# Allegro board 6089-103-RevB_76.brd (continued)
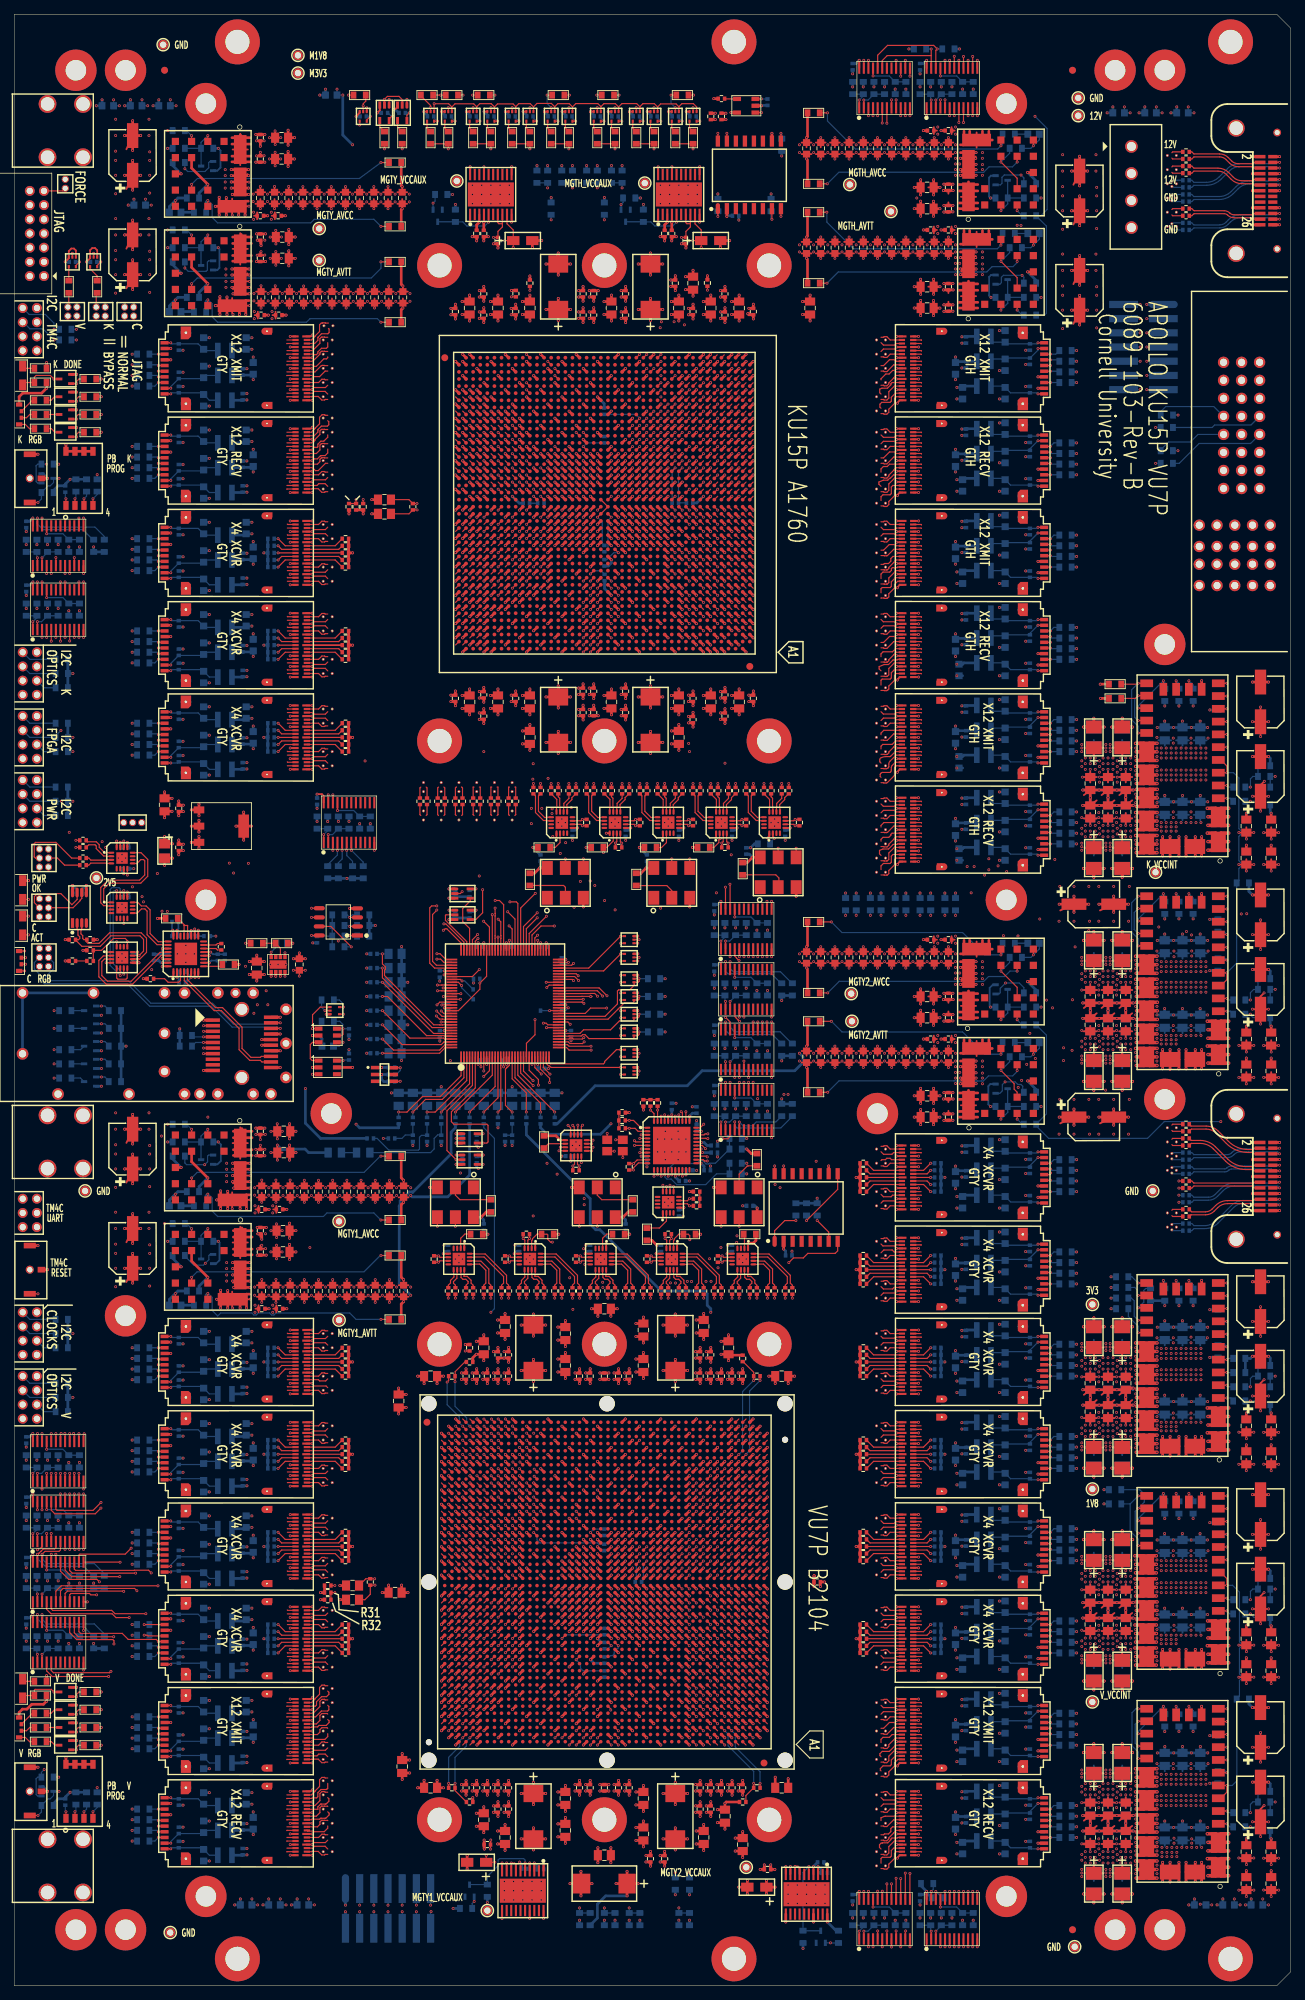
[diagram p0: board, top side]
## Routing (per net, layer and track width the routed paths; a pad name or vN(x,y) marks a point on that pad's centre or on a via; arc(x,y) is an arc through that point) (continued)
AC_PV_CLK1_CHAN3: length 61.4
  TOP w0.165: U66.F11 v1(96.16,38.93) ; C269.2 v1(98.7,96.89)
  SIG2 w0.083: v1(96.16,38.93) 96.47,38.93 96.55,39.02 96.55,40.32 96.8,40.57 97.31,40.57 97.32,40.58 97.37,40.58 97.59,40.8 97.59,72.61 97.59,72.62 97.59,80.11 97.59,80.12 97.59,83.56 98.64,84.61 98.64,85.09 98.51,85.22 98.51,86.58 98.63,86.7 98.63,93.37 99.1,93.84 99.1,96.81 99.01,96.89 v1(98.7,96.89)
AC_PV_CLK1_CHAN4: length 36.9
  TOP w0.165: C149.2 v1(71.2,96.89) ; U66.AU36 v1(70.24,70.85)
  SIG1 w0.083: v1(70.24,70.85) 69.93,70.85 69.85,70.93 69.85,84 68.59,85.26 68.59,86.54 68.88,86.83 68.88,88.05 68.58,88.35 68.58,89.53 68.78,89.73 68.78,92.6 65.72,95.66 65.72,97.39 65.91,97.58 71.11,97.58 71.6,97.09 71.6,96.98 71.51,96.89 v1(71.2,96.89)
AC_PV_CLK1_CHAN5: length 38.9
  TOP w0.165: U66.AJ36 v1(70.24,62.88) ; C158.2 v1(73.7,96.89)
  SIG2 w0.083: v1(70.24,62.88) 69.93,62.88 69.85,62.96 69.85,82.95 72.42,85.52 72.42,96.29 73.41,97.28 74.21,97.28 73.82,96.89 v1(73.7,96.89)
AC_PV_CLK1_CHAN6: length 49.1
  TOP w0.165: U66.AA36 v1(70.24,53.95) ; C162.2 v1(76.2,96.89)
  SIG2 w0.083: v1(70.24,53.95) 69.93,53.95 69.85,54.03 69.85,54.15 70.06,54.35 70.44,54.35 70.82,54.74 70.82,73.5 70.89,73.56 70.89,74.04 70.82,74.11 70.82,81.99 74.2,85.36 74.2,95.42 76.15,97.37 76.48,97.37 76.6,97.26 76.6,96.98 76.51,96.89 v1(76.2,96.89)
AC_PV_CLK1_CHAN7: length 61.8
  TOP w0.165: C172.2 v1(78.7,96.89) ; U66.N36 v1(70.24,45.95)
  SIG1 w0.083: v1(70.24,45.95) 69.93,45.95 69.85,45.86 69.85,45.48 69.64,45.28 68.8,45.28 68.59,45.48 68.59,46.24 68.88,46.53 72.58,46.53 72.64,46.59 72.64,81.73 79.25,88.33 79.25,96.46 79.1,96.61 79.1,96.81 79.01,96.89 v1(78.7,96.89)
AC_PV_TTC_CLK40: length 148.6
  TOP w0.165: U66.AN32 v1(74.23,66.86)
  SIG3 w0.083: v1(74.23,66.86) 73.92,66.86 73.84,66.78 73.84,65.81 arc(73.8,65.62) 73.69,65.46 73.67,65.43 arc(73.49,65.32) 73.29,65.28 47.41,65.28 arc(46.28,65.5) 45.33,66.14 43.7,67.76 arc(42.91,68.3) 41.96,68.49 33.88,68.49 arc(33.15,68.63) 32.54,69.04 25.87,75.71 arc(25.51,76.25) 25.38,76.89 25.38,99.67 25.38,99.68 25.38,99.98 25.38,99.98 25.38,106.53 25.38,106.53 25.38,106.84 25.38,106.84 25.38,113.42 25.38,113.42 25.38,113.98 25.38,113.98 25.38,118.21 12.47,131.12 10.65,131.12 2.04,139.73 2.04,145.98 1.43,146.59 1.43,154.52 4.05,157.14 3.56,157.63
AC_PV_TTC_IN: length 95.1
  TOP w0.165: U66.AV2 105.15,71.87
  SIG4 w0.083: VA148.1 162.44,107.28 arc(162.36,107.26) 162.28,107.22 162.17,107.11 arc(162.07,107.03) 161.94,107.01 151.26,107.01 arc(149.74,107.31) 148.45,108.18 145.23,111.4 arc(144.46,111.91) 143.56,112.09 140.2,112.09 arc(139.55,112.22) 138.99,112.59 138.81,112.77 arc(138.05,113.28) 137.16,113.46 121.86,113.46 arc(120.86,113.26) 120.01,112.69 114.52,107.19 arc(113.9,106.27) 113.69,105.18 113.69,86.02 arc(113.57,85.46) 113.26,84.99 112.73,84.46 arc(112.41,83.98) 112.3,83.41 112.3,79.5 arc(112.07,78.34) 111.41,77.35 106.6,72.55 arc(106.45,72.45) 106.27,72.41 105.89,72.41 arc(105.77,72.39) 105.67,72.32 105.64,72.29 arc(105.58,72.2) 105.56,72.08 105.56,71.95 105.47,71.87 105.15,71.87
  BOTTOM w0.165: C504.2 163.32,107.4 VA148.1
AC_PV_TTS_OUT: length 10.7
  TOP w0.165: P3.22 174.77,110.83 174.58,110.63 171.05,110.63 arc(170.14,110.45) 169.37,109.94 168.87,109.44 arc(168.44,109.15) 167.93,109.05 166,109.05 C447.1
AC_PV_UTIL_CLK_CHAN0: length 32.8
  TOP w0.165: C182.2 v1(81.2,96.89) ; U66.AW9 v1(98.17,72.86)
  SIG4 w0.083: v1(98.17,72.86) 98.48,72.86 98.56,72.94 98.56,77.68 97.61,78.62 97.61,79.04 82.63,94.02 82.63,95.05 81.54,96.14 81.54,96.31 81.2,96.65 v1(81.2,96.89)
AC_PV_UTIL_CLK_CHAN1: length 34.5
  TOP w0.165: C197.2 v1(83.7,96.89) ; U66.BA40 v1(66.23,74.87)
  SIG4 w0.083: v1(66.23,74.87) 65.92,74.87 65.83,74.95 65.83,79.99 76.28,90.43 76.88,90.43 80.6,94.15 80.6,96.94 80.99,97.33 84.01,97.33 84.1,97.24 84.1,96.98 84.01,96.89 v1(83.7,96.89)
AC_PV_UTIL_CLK_CHAN2: length 34.5
  TOP w0.165: U66.BA35 v1(71.23,74.87) ; C210.2 v1(86.2,96.89)
  SIG2 w0.083: v1(71.23,74.87) 71.23,75.17 71.31,75.26 74.51,75.26 74.87,75.62 74.87,84.02 75.75,84.91 75.75,88.99 83.33,96.56 83.33,97.05 83.72,97.44 86.43,97.44 86.64,97.22 86.6,97.18 86.6,96.98 86.51,96.89 v1(86.2,96.89)
AC_PV_UTIL_CLK_CHAN3: length 67.2
  TOP w0.165: U66.H27 v1(79.23,40.94) ; C217.2 v1(88.7,96.89)
  SIG1 w0.083: v1(88.7,96.89) 89.01,96.89 89.1,96.81 89.1,96.61 89.16,96.54 89.16,84.49 83.14,78.47 83.14,57.95 82.71,57.53 78.62,57.53 77.59,56.5 77.59,40.61 77.82,40.39 78.63,40.39 78.84,40.6 78.84,40.86 78.92,40.94 v1(79.23,40.94)
BC_NC2C0_K_TO_V: length 34.7
  TOP w0.165: U65.K37 67.23,196.93 ; C127.1 67.2,168.89 67.32,168.9
  SIG1 w0.083: 67.23,196.93 67.54,196.93 67.64,196.83 67.64,196.71 arc(67.67,196.56) 67.78,196.46 arc(67.85,196.42) 67.93,196.39 arc(68,196.38) 68.07,196.37 70.46,196.37 arc(70.51,196.36) 70.54,196.34 70.56,196.32 arc(70.63,196.22) 70.65,196.1 70.65,188.51 arc(70.51,187.79) 70.1,187.17 67.88,184.96 arc(67.67,184.65) 67.6,184.28 67.6,170.14 arc(67.58,170.03) 67.52,169.94 67.43,169.85 arc(67.35,169.73) 67.32,169.59 67.32,168.9
BC_NC2C0_V_TO_K: length 93.2
  TOP w0.165: 62.32,164.9 62.2,165.02 62.2,165.02 C101.1 ; U66.BF43 63.23,79.87
  SIG1 w0.083: 62.32,164.9 62.32,164.25 arc(62.35,164.09) 62.45,163.95 62.56,163.84 arc(62.62,163.74) 62.64,163.63 62.64,163.44 arc(62.62,163.33) 62.56,163.23 58.21,158.88 arc(57.76,158.21) 57.6,157.42 57.6,112.45 arc(57.54,112.06) 57.35,111.71 arc(57.18,111.38) 57.11,111.01 57.11,92.77 arc(57.06,92.5) 56.9,92.27 56.75,92.12 arc(56.46,91.68) 56.36,91.17 56.36,87.43 arc(56.41,87.19) 56.54,86.98 59.28,84.24 arc(59.52,84.07) 59.8,83.98 arc(59.94,83.94) 60.07,83.85 63.6,80.32 arc(63.62,80.29) 63.63,80.25 63.63,79.95 63.55,79.87 63.23,79.87
BC_NC2C1_K_TO_V: length 31.9
  TOP w0.165: 69.82,168.9 69.7,168.89 C140.1 ; U65.K33 71.23,196.93
  SIG1 w0.083: 69.82,168.9 69.82,169.57 arc(69.85,169.74) 69.95,169.88 69.99,169.93 arc(70.07,170.04) 70.1,170.17 70.1,170.56 arc(69.99,171.07) 69.7,171.51 69.57,171.64 arc(69.32,172.02) 69.23,172.47 69.23,181.82 arc(69.31,182.21) 69.53,182.54 71.13,184.14 arc(71.49,184.68) 71.62,185.32 71.62,196.84 71.54,196.93 71.23,196.93
BC_NC2C1_V_TO_K: length 96.1
  TOP w0.165: 64.82,164.9 64.7,165.02 64.7,165.02 C109.1 ; U66.BD43 63.23,77.86
  SIG1 w0.083: 63.23,77.86 63.55,77.86 63.63,77.95 63.63,78 arc(63.67,78.2) 63.78,78.36 arc(63.94,78.47) 64.14,78.51 64.26,78.51 arc(64.38,78.53) 64.48,78.6 64.56,78.68 arc(64.65,78.81) 64.68,78.97 64.68,80.07 arc(64.62,80.38) 64.44,80.65 57.79,87.3 arc(57.47,87.77) 57.36,88.33 57.36,91.02 arc(57.45,91.46) 57.7,91.83 58.01,92.14 arc(58.25,92.51) 58.34,92.94 58.34,110.9 arc(58.46,111.5) 58.8,112.02 59.24,112.45 arc(59.47,112.8) 59.55,113.21 59.55,127.19 arc(59.64,127.63) 59.89,128.01 61.69,129.81 arc(61.9,130.12) 61.98,130.5 61.98,159.48 arc(62.08,159.99) 62.37,160.42 64.96,163.01 arc(65.08,163.2) 65.12,163.41 65.12,163.44 arc(65.09,163.61) 64.99,163.76 arc(64.86,163.95) 64.82,164.17 64.82,164.9
BC_NC2C2_K_TO_V: length 39.7
  TOP w0.165: U65.J35 69.23,195.93 ; 57.32,168.9 57.2,168.78 C92.1
  SIG1 w0.083: 69.23,195.93 69.54,195.93 69.67,195.79 69.67,193.14 arc(69.63,192.92) 69.51,192.75 69.47,192.71 arc(69.27,192.58) 69.04,192.53 62.46,192.53 arc(61.88,192.41) 61.39,192.09 57.77,188.47 arc(56.68,186.83) 56.3,184.9 56.3,173.28 arc(56.5,172.26) 57.08,171.39 57.51,170.96 arc(57.57,170.86) 57.6,170.75 57.6,170.51 arc(57.57,170.39) 57.51,170.3 57.43,170.22 arc(57.35,170.1) 57.32,169.95 57.32,168.9
BC_NC2C2_V_TO_K: length 98.9
  TOP w0.165: U66.BB43 63.23,75.86 ; C96.1 59.7,165.02 59.82,164.9
  SIG1 w0.083: 59.82,164.9 59.82,164.24 arc(59.85,164.06) 59.95,163.91 60.05,163.82 arc(60.09,163.75) 60.11,163.68 60.11,163.32 arc(60.04,162.98) 59.85,162.69 56.69,159.54 arc(56.18,158.77) 56,157.87 56,135.42 arc(55.91,134.99) 55.67,134.63 55.66,134.62 arc(55.37,134.18) 55.26,133.65 55.26,86.14 arc(55.45,85.18) 55.99,84.38 56.43,83.94 arc(56.74,83.47) 56.85,82.92 56.85,79.87 arc(56.96,79.32) 57.27,78.85 59.68,76.44 arc(59.92,76.28) 60.19,76.23 63.53,76.23 arc(63.62,76.19) 63.66,76.1 63.66,75.94 63.57,75.86 63.23,75.86
BC_NHIGH_QUAL_CLK_IN: length 14.6
  TOP w0.165: P3.17 v1(178.38,112.42)
  BOTTOM w0.165: v1(178.38,112.42) 178.13,112.68 171.97,112.68 arc(171.14,112.52) 170.44,112.04 169.61,111.22 arc(169.03,110.83) 168.33,110.69 166.3,110.69 166.01,110.4 C503.1
BC_NK_CLK0_CHAN0: length 2.9
  TOP w0.165: U96.10 107.45,166.04 107.49,166.08 107.49,166.6 108.2,167.31 C305.1
BC_NK_CLK0_CHAN1: length 2.9
  TOP w0.165: C300.1 106.49,167.16 106.49,166.08 106.45,166.04 U96.12
BC_NK_CLK0_CHAN2: length 5.4
  TOP w0.165: C293.1 103.49,167.66 103.49,165.31 104.61,164.19 105.02,164.19 105.06,164.15 U96.14
BC_NK_CLK0_CHAN4: length 2.9
  TOP w0.165: C171.1 78.2,167.31 77.49,166.6 77.49,166.08 77.45,166.04 U58.10
BC_NK_CLK0_CHAN5: length 2.9
  TOP w0.165: C161.1 76.49,167.16 76.49,166.08 76.45,166.04 U58.12
BC_NK_CLK0_CHAN6: length 5.4
  TOP w0.165: C155.1 73.49,167.66 73.49,165.31 74.61,164.19 75.02,164.19 75.06,164.15 U58.14
BC_NK_CLK1_CHAN0: length 2.9
  TOP w0.165: U87.10 99.95,166.04 99.99,166.08 99.99,166.6 100.7,167.31 C281.1
BC_NK_CLK1_CHAN1: length 2.9
  TOP w0.165: U87.12 98.95,166.04 98.99,166.08 98.99,167.16 C264.1
BC_NK_CLK1_CHAN2: length 5.4
  TOP w0.165: C249.1 95.99,167.66 95.99,165.31 97.11,164.19 97.52,164.19 97.56,164.15 U87.14
BC_NK_CLK1_CHAN4: length 2.9
  TOP w0.165: C204.1 85.7,167.31 84.99,166.6 84.99,166.08 84.95,166.04 U68.10
BC_NK_CLK1_CHAN5: length 2.9
  TOP w0.165: U68.12 83.95,166.04 83.99,166.08 83.99,167.16 C191.1
BC_NK_CLK1_CHAN6: length 5.4
  TOP w0.165: C181.1 80.99,167.66 80.99,165.31 82.11,164.19 82.52,164.19 82.56,164.15 U68.14
BC_NK_TTC_IN: length 14.3
  TOP w0.165: P2.23 v1(178.38,248.93)
  BOTTOM w0.165: v1(178.38,248.93) 178.09,248.93 177.9,249.12 172.87,249.12 arc(172.12,248.97) 171.48,248.54 171.11,248.17 arc(170.58,247.82) 169.95,247.69 166.3,247.69 166.01,247.4 C497.1
BC_NK_TTS_OUT: length 79.2
  TOP w0.165: U65.AU7 98.1,224.8 ; 163.2,249.52 163.32,249.4 C440.2
  SIG1 w0.083: 98.1,224.8 97.79,224.8 97.71,224.89 97.71,225.11 arc(97.71,225.14) 97.73,225.17 97.77,225.2 arc(97.8,225.22) 97.83,225.23 106.14,225.23 arc(106.62,225.33) 107.03,225.6 111.29,229.85 arc(111.34,229.87) 111.39,229.85 arc(111.43,229.83) 111.48,229.85 111.62,229.99 arc(111.64,230.04) 111.62,230.09 arc(111.6,230.13) 111.62,230.18 111.75,230.32 arc(111.8,230.34) 111.85,230.32 arc(111.9,230.3) 111.95,230.32 112.09,230.45 arc(112.11,230.5) 112.09,230.55 arc(112.06,230.6) 112.09,230.65 125.93,244.5 arc(126.1,244.61) 126.29,244.65 126.78,244.65 arc(127.04,244.7) 127.26,244.85 129.31,246.89 arc(129.49,247.16) 129.55,247.49 129.55,247.58 arc(129.61,247.88) 129.78,248.14 129.98,248.33 arc(130.27,248.52) 130.61,248.59 151.94,248.59 arc(152.44,248.69) 152.87,248.98 153.4,249.5 arc(153.72,249.72) 154.09,249.79 161.94,249.79 162.25,249.48 162.92,249.48 162.96,249.52 163.2,249.52
BC_NK_UTIL_CLK_CHAN0: length 2.9
  TOP w0.165: U79.10 92.45,166.04 92.49,166.08 92.49,166.6 93.2,167.31 C235.1
BC_NK_UTIL_CLK_CHAN1: length 2.9
  TOP w0.165: C227.1 91.49,167.16 91.49,166.08 91.45,166.04 U79.12
BC_NK_UTIL_CLK_CHAN2: length 5.4
  TOP w0.165: U79.14 90.06,164.15 90.02,164.19 89.61,164.19 88.49,165.31 88.49,167.66 C215.1
BC_NLEGACY_CLK: length 4.6
  TOP w0.165: C2.1 10.52,160.77 11.4,160.77 11.57,160.6 11.57,160.23 12.61,159.19 13.02,159.19 13.06,159.15 U10.2
BC_NLHC_CLK_IN: length 10.2
  TOP w0.165: P3.18 174.77,112.42 174.5,112.69 166.3,112.69 166.01,112.4 C446.1
BC_NMGT_K_TO_Z_1: length 82.2
  TOP w0.165: U65.AV9 96.19,225.89
  SIG1 w0.083: 96.19,225.89 96.16,225.91 95.86,225.91 95.78,225.99 95.78,226.11 arc(95.79,226.15) 95.81,226.17 95.84,226.21 arc(95.87,226.22) 95.9,226.23 104.32,226.23 arc(104.79,226.32) 105.19,226.59 110.22,231.63 arc(110.28,231.65) 110.34,231.63 arc(110.4,231.6) 110.46,231.63 110.58,231.74 arc(110.6,231.8) 110.58,231.86 arc(110.55,231.92) 110.58,231.98 110.69,232.09 arc(110.75,232.12) 110.81,232.09 arc(110.87,232.07) 110.93,232.09 111.04,232.21 arc(111.07,232.27) 111.04,232.33 arc(111.02,232.39) 111.04,232.45 120.78,242.19 arc(120.94,242.29) 121.12,242.33 121.2,242.33 arc(121.49,242.38) 121.73,242.55 123.14,243.95 arc(123.22,244.08) 123.26,244.24 123.26,244.5 arc(123.29,244.65) 123.37,244.77 125.09,246.49 arc(125.37,246.68) 125.7,246.75 125.74,246.75 arc(126.2,246.84) 126.58,247.09 131.39,251.9 arc(131.65,252.07) 131.95,252.13 132.47,252.13 arc(132.78,252.19) 133.03,252.37 133.2,252.53 arc(133.38,252.65) 133.59,252.69 160.29,252.69 arc(160.42,252.66) 160.53,252.59 161.12,252 arc(161.32,251.86) 161.57,251.81 162.03,251.81 162.37,251.48 162.92,251.48 162.96,251.52 VA140.2
  BOTTOM w0.165: VA140.2 163.32,251.4 C495.2
BC_NMGT_K_TO_Z_2: length 84.9
  TOP w0.165: 163.2,255.52 163.32,255.4 C438.2 ; U65.AW7 98.1,226.8
  SIG1 w0.083: 163.2,255.52 162.96,255.52 162.92,255.48 162.37,255.48 162.06,255.79 161.38,255.79 arc(161.11,255.84) 160.88,256 160.51,256.36 arc(160.32,256.49) 160.09,256.54 143.5,256.54 arc(142.8,256.67) 142.21,257.07 141.29,257.99 arc(140.54,258.49) 139.65,258.67 130.34,258.67 arc(130,258.6) 129.71,258.41 127.52,256.22 arc(127.1,255.94) 126.61,255.84 125.15,255.84 arc(124.69,255.75) 124.3,255.49 120.14,251.33 arc(120.13,251.29) 120.14,251.26 arc(120.15,251.22) 120.14,251.19 119.98,251.02 arc(119.94,251.01) 119.91,251.02 arc(119.87,251.04) 119.83,251.02 119.67,250.86 arc(119.66,250.83) 119.67,250.79 arc(119.69,250.75) 119.67,250.72 119.51,250.56 arc(119.48,250.54) 119.44,250.56 arc(119.4,250.57) 119.37,250.56 119.21,250.4 arc(119.19,250.36) 119.21,250.32 arc(119.22,250.29) 119.21,250.25 119.05,250.09 arc(119.01,250.08) 118.97,250.09 arc(118.94,250.11) 118.9,250.09 113.75,244.94 arc(113.4,244.42) 113.28,243.81 113.28,243.2 arc(113.16,242.58) 112.8,242.06 106.79,236.04 100.78,230.03 arc(100.73,229.95) 100.71,229.86 100.71,229.74 arc(100.68,229.57) 100.58,229.43 100.52,229.37 arc(100.38,229.28) 100.22,229.25 98.87,229.25 98.87,229.25 98.03,229.25 arc(97.96,229.24) 97.89,229.19 97.83,229.13 arc(97.76,229.02) 97.73,228.89 97.73,226.9 arc(97.74,226.87) 97.75,226.84 97.79,226.8 98.1,226.8
BC_NMGT_V_TO_Z_1: length 106.7
  TOP w0.165: U66.BD4 103.17,77.86
  SIG4 w0.083: VA146.2 163.19,114.51 arc(163.16,114.49) 163.13,114.48 161.67,114.48 arc(161.63,114.49) 161.59,114.5 arc(161.52,114.53) 161.46,114.58 161.39,114.65 arc(161.28,114.81) 161.24,115 161.24,115.13 arc(161.29,115.36) 161.42,115.56 161.61,115.75 arc(161.81,115.89) 162.05,115.94 163.56,115.94 arc(163.86,115.99) 164.11,116.16 164.25,116.3 arc(164.44,116.56) 164.53,116.87 arc(164.53,116.93) 164.54,116.99 164.54,117.44 arc(164.51,117.55) 164.45,117.64 164.44,117.65 arc(164.22,117.8) 163.96,117.85 160.75,117.85 arc(160.32,117.76) 159.95,117.52 159.95,117.52 arc(159.46,117.19) 158.88,117.08 146.59,117.08 arc(145.96,116.95) 145.42,116.59 145.24,116.41 arc(144.47,115.89) 143.56,115.71 135.95,115.71 arc(135.52,115.8) 135.14,116.05 134.93,116.26 arc(134.61,116.47) 134.24,116.55 132.45,116.55 arc(131.96,116.64) 131.54,116.92 129.27,119.19 arc(129.25,119.21) 129.23,119.23 arc(129.08,119.31) 128.91,119.34 123.69,119.34 arc(122.48,119.1) 121.46,118.42 118.72,115.67 arc(118.2,114.91) 118.01,114 arc(118.01,113.94) 118.01,113.89 arc(117.96,113.64) 117.88,113.41 arc(117.77,113.18) 117.63,112.98 arc(117.59,112.93) 117.55,112.89 112.96,108.3 arc(112.27,107.27) 112.03,106.06 112.03,101.99 arc(112.06,101.92) 112.13,101.89 arc(112.2,101.86) 112.23,101.79 112.23,101.66 arc(112.2,101.59) 112.13,101.56 arc(112.06,101.53) 112.03,101.46 112.03,101.33 arc(112.06,101.26) 112.13,101.23 arc(112.2,101.2) 112.23,101.13 112.23,101 arc(112.2,100.93) 112.13,100.9 arc(112.06,100.87) 112.03,100.8 112.03,100.67 arc(112.06,100.6) 112.13,100.57 arc(112.2,100.54) 112.23,100.47 112.23,100.34 arc(112.2,100.27) 112.13,100.24 arc(112.06,100.21) 112.03,100.14 112.03,85.62 arc(111.94,85.15) 111.67,84.75 110.53,83.61 arc(110.31,83.28) 110.24,82.9 110.24,81.92 arc(110.14,81.42) 109.85,80.99 109.25,80.39 arc(108.87,80.14) 108.43,80.05 108.19,80.05 arc(107.82,79.98) 107.51,79.77 107.47,79.73 arc(106.96,79.39) 106.34,79.27 102.89,79.27 arc(102.81,79.23) 102.77,79.14 102.77,78.06 arc(102.77,78.03) 102.76,77.99 arc(102.78,77.92) 102.83,77.88 arc(102.9,77.86) 102.97,77.86 103.17,77.86
  BOTTOM w0.165: VA146.2 163.32,114.4 C501.2
BC_NMGT_V_TO_Z_2: length 91.9
  TOP w0.165: 163.2,118.52 163.32,118.4 C444.2 ; U66.BF4 103.17,79.87
  SIG2 w0.083: 103.17,79.87 102.85,79.87 102.77,79.95 102.77,80.17 arc(102.78,80.21) 102.8,80.24 102.87,80.31 arc(102.9,80.33) 102.94,80.34 109.34,80.34 arc(110.05,80.49) 110.66,80.89 111.97,82.2 arc(112.41,82.86) 112.56,83.63 112.56,87.52 arc(112.58,87.57) 112.64,87.6 112.64,87.6 arc(112.69,87.62) 112.71,87.67 112.71,87.85 arc(112.69,87.9) 112.64,87.93 112.64,87.93 arc(112.58,87.95) 112.56,88 112.56,88.18 arc(112.58,88.23) 112.64,88.26 112.64,88.26 arc(112.69,88.28) 112.71,88.33 112.71,88.51 arc(112.69,88.56) 112.64,88.59 112.64,88.59 arc(112.58,88.61) 112.56,88.66 112.56,97.7 arc(112.76,98.69) 113.32,99.52 115.83,102.04 arc(116.26,102.55) 116.58,103.13 116.74,103.51 arc(116.89,103.98) 116.94,104.46 116.94,108.54 116.97,108.65 117.44,109.88 117.51,109.98 120.68,113.15 arc(121.3,113.66) 122,114.03 122.14,114.09 arc(122.69,114.26) 123.25,114.31 140.87,114.31 arc(140.91,114.32) 140.95,114.33 141.09,114.38 141.18,114.45 141.2,114.46 141.28,114.54 arc(141.5,114.73) 141.75,114.86 142.18,115.04 arc(142.43,115.12) 142.7,115.14 143.96,115.14 arc(144.35,115.22) 144.68,115.44 147.59,118.35 arc(148.09,118.68) 148.68,118.8 161.93,118.8 arc(162.06,118.77) 162.17,118.7 162.27,118.59 arc(162.36,118.54) 162.45,118.52 163.2,118.52
BC_NMGT_Z_TO_K_1: length 14.8
  TOP w0.165: P2.5 v1(178.38,256.12)
  BOTTOM w0.165: v1(178.38,256.12) 178.09,256.12 177.9,256.32 172.73,256.32 arc(171.97,256.17) 171.33,255.74 170.17,254.57 arc(169.19,253.92) 168.03,253.69 166.3,253.69 166.01,253.4 C493.1
BC_NMGT_Z_TO_K_2: length 10.6
  TOP w0.165: C436.1 166.01,257.4 166.3,257.69 169.93,257.69 arc(170.43,257.59) 170.84,257.31 171.34,256.82 arc(171.9,256.45) 172.55,256.32 174.58,256.32 174.77,256.12 P2.6
BC_NMGT_Z_TO_V_1: length 14.1
  TOP w0.165: 177.43,117.22 v1(178.38,117.22)
  BOTTOM w0.165: C499.1 166.01,116.4 166.3,116.69 171.02,116.69 arc(171.5,116.79) 171.91,117.06 172,117.15 arc(172.39,117.41) 172.85,117.5 178.11,117.5 v1(178.38,117.22)
BC_NMGT_Z_TO_V_2: length 11.3
  TOP w0.165: 175.64,117.22 174.77,117.22 174.58,117.42 173.96,117.42 arc(172.29,117.75) 170.88,118.69 169.44,120.13 arc(168.79,120.56) 168.03,120.71 165.96,120.71 C442.1
BC_NTTC_CLK40A: length 3.7
  TOP w0.165: U10.4 13.06,158.15 13.02,158.19 10.8,158.19 10.51,157.9 C4.1
BC_NV_CLK0_CHAN0: length 2.9
  TOP w0.165: U89.10 102.45,100.26 102.41,100.22 102.41,99.7 101.93,99.22 101.93,98.99 102.2,98.71 C289.1
BC_NV_CLK0_CHAN1: length 3.4
  TOP w0.165: C298.1 104.7,98.71 104.41,99 104.41,99.41 103.85,99.97 103.43,99.97 103.41,99.98 103.41,100.22 103.45,100.26 U89.12
BC_NV_CLK0_CHAN2: length 6
  TOP w0.165: U89.14 104.84,102.15 104.88,102.11 105.79,102.11 106.91,100.99 106.91,99 107.2,98.71 C304.1
BC_NV_CLK0_CHAN3: length 8.3
  TOP w0.165: C310.1 109.7,98.71 109.41,99 109.41,100.11 106.41,103.11 104.88,103.11 104.84,103.15 U89.16
BC_NV_CLK0_CHAN4: length 2.9
  TOP w0.165: C102.1 62.2,98.71 61.93,98.99 61.93,99.22 62.41,99.7 62.41,100.22 62.45,100.26 U44.10
BC_NV_CLK0_CHAN5: length 3.4
  TOP w0.165: U44.12 63.45,100.26 63.41,100.22 63.41,99.98 63.43,99.97 63.85,99.97 64.41,99.41 64.41,99 64.7,98.71 C110.1
BC_NV_CLK0_CHAN6: length 6
  TOP w0.165: C128.1 67.2,98.71 66.91,99 66.91,100.99 65.79,102.11 64.88,102.11 64.84,102.15 U44.14
BC_NV_CLK0_CHAN7: length 8.3
  TOP w0.165: C141.1 69.7,98.71 69.41,99 69.41,100.11 66.41,103.11 64.88,103.11 64.84,103.15 U44.16
BC_NV_CLK1_CHAN0: length 2.9
  TOP w0.165: U83.10 92.45,100.26 92.41,100.22 92.41,99.7 91.93,99.22 91.93,98.99 92.2,98.71 C232.1
BC_NV_CLK1_CHAN1: length 3.4
  TOP w0.165: C244.1 94.7,98.71 94.41,99 94.41,99.41 93.85,99.97 93.43,99.97 93.41,99.98 93.41,100.22 93.45,100.26 U83.12
BC_NV_CLK1_CHAN2: length 6
  TOP w0.165: U83.14 94.84,102.15 94.88,102.11 95.79,102.11 96.91,100.99 96.91,99 97.2,98.71 C257.1
BC_NV_CLK1_CHAN3: length 8.3
  TOP w0.165: U83.16 94.84,103.15 94.88,103.11 96.41,103.11 99.41,100.11 99.41,99 99.7,98.71 C273.1
BC_NV_CLK1_CHAN4: length 2.9
  TOP w0.165: C151.1 72.2,98.71 71.93,98.99 71.93,99.22 72.41,99.7 72.41,100.22 72.45,100.26 U56.10
BC_NV_CLK1_CHAN5: length 3.4
  TOP w0.165: U56.12 73.45,100.26 73.41,100.22 73.41,99.98 73.43,99.97 73.85,99.97 74.41,99.41 74.41,99 74.7,98.71 C160.1
BC_NV_CLK1_CHAN6: length 6
  TOP w0.165: U56.14 74.84,102.15 74.88,102.11 75.79,102.11 76.91,100.99 76.91,99 77.2,98.71 C166.1
BC_NV_CLK1_CHAN7: length 8.3
  TOP w0.165: U56.16 74.84,103.15 74.88,103.11 76.41,103.11 79.41,100.11 79.41,99 79.7,98.71 C174.1
BC_NV_TTC_IN: length 15.2
  TOP w0.165: P3.23 v1(178.38,110.03)
  BOTTOM w0.165: C505.1 166.01,106.4 166.3,106.69 167.85,106.69 arc(168.85,106.89) 169.7,107.46 171.91,109.66 arc(172.53,110.08) 173.27,110.23 178.18,110.23 v1(178.38,110.03)
BC_NV_TTS_OUT: length 98.6
  TOP w0.165: C448.2 163.32,108.4 163.2,108.52 ; U66.AV6 101.17,71.87
  SIG2 w0.083: 163.2,108.52 163.06,108.52 163.02,108.48 162.53,108.48 arc(162.4,108.5) 162.29,108.58 162.15,108.72 arc(162.06,108.78) 161.96,108.8 151.48,108.8 arc(150.59,108.97) 149.84,109.47 146.87,112.45 arc(146.48,112.71) 146.02,112.8 144.96,112.8 arc(144.78,112.83) 144.61,112.91 144.58,112.93 144.47,113.05 144.18,113.05 144.17,113.03 138.83,113.03 arc(138.67,113.06) 138.53,113.16 138.43,113.26 arc(138.39,113.29) 138.35,113.29 123,113.29 arc(122.43,113.18) 121.95,112.86 118.72,109.64 arc(118.32,109.03) 118.17,108.31 118.17,104.04 arc(117.91,102.69) 117.14,101.54 114.31,98.71 arc(114,98.25) 113.89,97.71 113.89,88.43 arc(113.91,88.39) 113.96,88.37 arc(114,88.35) 114.02,88.3 114.02,88.1 arc(114,88.06) 113.96,88.04 arc(113.91,88.02) 113.89,87.97 113.89,87.77 arc(113.91,87.73) 113.96,87.71 arc(114,87.69) 114.02,87.64 114.02,87.44 arc(114,87.4) 113.96,87.38 arc(113.91,87.36) 113.89,87.31 113.89,81.71 arc(113.68,80.61) 113.05,79.67 106.94,73.57 arc(106.67,73.38) 106.34,73.32 101.17,73.32 arc(101.12,73.31) 101.09,73.29 100.86,73.06 arc(100.8,72.97) 100.77,72.86 100.77,71.95 100.86,71.87 101.17,71.87
BC_NV_UTIL_CLK_CHAN0: length 2.9
  TOP w0.165: U64.10 82.45,100.26 82.41,100.22 82.41,99.7 81.93,99.22 81.93,98.99 82.2,98.71 C190.1
BC_NV_UTIL_CLK_CHAN1: length 3.4
  TOP w0.165: U64.12 83.45,100.26 83.41,100.22 83.41,99.98 83.43,99.97 83.85,99.97 84.41,99.41 84.41,99 84.7,98.71 C201.1
BC_NV_UTIL_CLK_CHAN2: length 6
  TOP w0.165: C214.1 87.2,98.71 86.91,99 86.91,100.99 85.79,102.11 84.88,102.11 84.84,102.15 U64.14
BC_NV_UTIL_CLK_CHAN3: length 8.3
  TOP w0.165: C225.1 89.7,98.71 89.41,99 89.41,100.11 86.41,103.11 84.88,103.11 84.84,103.15 U64.16
BC_PC2C0_K_TO_V: length 34.7
  TOP w0.165: C132.1 68.2,168.89 68.08,168.9 ; U65.K36 68.23,196.93
  SIG1 w0.083: 68.23,196.93 67.93,196.93 67.84,196.84 67.84,196.71 arc(67.86,196.67) 67.89,196.63 arc(67.93,196.61) 67.99,196.59 arc(68.03,196.58) 68.07,196.58 70.46,196.58 arc(70.59,196.56) 70.69,196.48 70.71,196.47 arc(70.82,196.3) 70.86,196.1 70.86,188.51 arc(70.7,187.71) 70.24,187.03 68.03,184.82 arc(67.87,184.57) 67.81,184.28 67.81,170.14 arc(67.83,170.03) 67.89,169.94 68.01,169.83 arc(68.06,169.74) 68.08,169.64 68.08,168.9
BC_PC2C0_V_TO_K: length 93.2
  TOP w0.165: U66.BF42 64.24,79.87 ; C103.1 63.2,165.02 63.2,165.02 63.08,164.9
  SIG1 w0.083: 64.24,79.87 63.92,79.87 63.84,79.95 63.84,80.25 arc(63.82,80.37) 63.75,80.47 60.21,84 arc(60.04,84.12) 59.83,84.19 arc(59.61,84.26) 59.43,84.39 56.69,87.13 arc(56.6,87.27) 56.57,87.43 56.57,91.17 arc(56.65,91.6) 56.9,91.97 57.05,92.12 arc(57.25,92.42) 57.32,92.77 57.32,111.01 arc(57.38,111.31) 57.52,111.59 arc(57.74,112) 57.81,112.45 57.81,157.42 arc(57.95,158.13) 58.35,158.73 62.71,163.09 arc(62.81,163.24) 62.85,163.42 62.85,163.67 arc(62.88,163.84) 62.98,163.98 arc(63.05,164.1) 63.08,164.23 63.08,164.9
BC_PC2C1_K_TO_V: length 31.9
  TOP w0.165: 70.58,168.9 70.7,168.89 C148.1 ; U65.K32 72.23,196.93
  SIG1 w0.083: 72.23,196.93 71.91,196.93 71.83,196.84 71.83,185.32 arc(71.69,184.6) 71.28,183.99 69.68,182.39 arc(69.5,182.13) 69.44,181.82 69.44,172.47 arc(69.51,172.1) 69.72,171.79 69.85,171.66 arc(70.19,171.15) 70.31,170.56 70.31,170.18 arc(70.33,170.04) 70.41,169.92 70.43,169.9 arc(70.54,169.73) 70.58,169.54 70.58,168.9
BC_PC2C1_V_TO_K: length 96.1
  TOP w0.165: 65.58,164.9 65.7,165.02 65.7,165.02 C115.1 ; U66.BD42 64.24,77.86
  SIG1 w0.083: 64.24,77.86 63.92,77.86 63.84,77.95 63.84,78 arc(63.86,78.12) 63.93,78.21 arc(64.02,78.27) 64.14,78.3 64.26,78.3 arc(64.46,78.34) 64.63,78.45 64.71,78.53 arc(64.84,78.73) 64.89,78.97 64.89,80.07 arc(64.81,80.46) 64.59,80.8 57.94,87.45 arc(57.67,87.85) 57.57,88.33 57.57,91.02 arc(57.64,91.38) 57.85,91.68 58.16,91.99 arc(58.45,92.43) 58.55,92.94 58.55,110.9 arc(58.65,111.42) 58.95,111.87 59.39,112.3 arc(59.66,112.72) 59.76,113.21 59.76,127.19 arc(59.83,127.55) 60.04,127.86 61.84,129.66 arc(62.1,130.04) 62.19,130.5 62.19,159.48 arc(62.27,159.91) 62.51,160.27 65.16,162.91 arc(65.29,163.1) 65.33,163.33 65.33,163.46 arc(65.36,163.61) 65.45,163.74 65.5,163.8 arc(65.56,163.88) 65.58,163.99 65.58,164.9
